# KiCad board pcb-rails.kicad_pcb (continued)
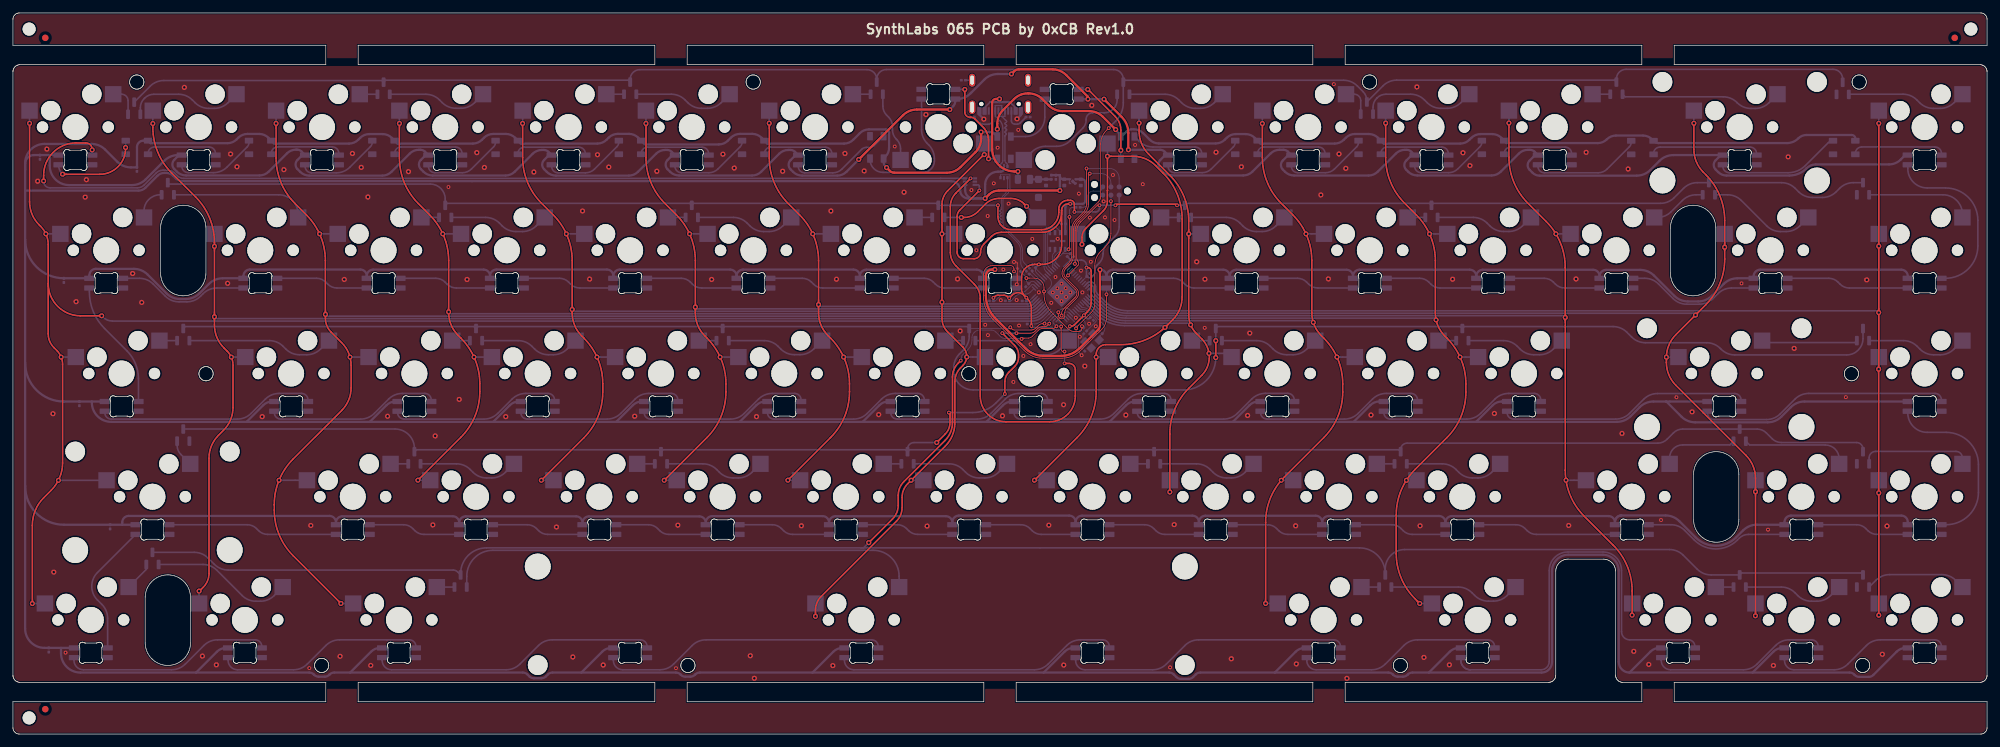
[diagram p0: board, top side]
## Nets
Board_0-+1V1: C26.2 C33.1 C35.1 U6.23 U6.45 U6.50
Board_0-+3.3V: C1.1 C25.2 C27.1 C28.1 C29.1 C30.1 C31.1 C32.1 C34.1 C40.1 J1.1 R17.1 U1.8 U6.1 U6.10 U6.22 U6.33 U6.42 U6.43 U6.44 U6.48 U6.49 U7.6 U8.1
Board_0-/BOOT: J1.6 R5.2
Board_0-/D+: R1.2 U6.46
Board_0-/D-: R2.2 U6.47
Board_0-/QSPI_CLK: U1.6 U6.52
Board_0-/QSPI_CS: R5.1 R17.2 U1.1 U6.56
Board_0-/QSPI_SD0: U1.5 U6.53
Board_0-/QSPI_SD1: U1.2 U6.55
Board_0-/QSPI_SD2: U1.3 U6.54
Board_0-/QSPI_SD3: U1.7 U6.51
Board_0-/RGB_5V: D15.4 U7.3
Board_0-/RGB_DO: U6.29 U7.4
Board_0-/RST: J1.3 U6.26
Board_0-/SWD_CLK: J1.4 U6.24
Board_0-/SWD_IO: J1.2 U6.25
Board_0-/USB/PORT+: J2.A6 J2.B6 U2.6
Board_0-/USB/PORT-: J2.A7 J2.B7 U2.4
Board_0-/USB/USB+: R1.1 U2.1
Board_0-/USB/USB-: R2.1 U2.3
Board_0-C0: MX1.1 MX16.1 MX31.1 MX45.1 MX59.1 U6.34
Board_0-C1: MX2.1 MX17.1 MX32.1 MX60.1 U6.35
Board_0-C2: MX3.1 MX18.1 MX33.1 MX46.1 MX61.1 U6.36
Board_0-C3: MX4.1 MX19.1 MX34.1 MX47.1 U6.37
Board_0-C4: MX5.1 MX20.1 MX35.1 MX48.1 U6.38
Board_0-C5: MX6.1 MX21.1 MX36.1 MX49.1 U6.39
Board_0-C6: MX7.1 MX22.1 MX37.1 MX50.1 U6.40
Board_0-C7: MX8.1 MX23.1 MX38.1 MX51.1 MX62.1 U6.41
Board_0-C8: MX9.1 MX24.1 MX39.1 MX52.1 U6.18
Board_0-C9: MX10.1 MX25.1 MX40.1 MX53.1 U6.17
Board_0-C10: MX11.1 MX26.1 MX41.1 MX54.1 MX63.1 U6.16
Board_0-C11: MX12.1 MX27.1 MX42.1 MX55.1 MX64.1 U6.15
Board_0-C12: MX13.1 MX28.1 MX56.1 MX65.1 U6.14
Board_0-C13: MX14.1 MX29.1 MX43.1 MX57.1 MX66.1 U6.13
Board_0-C14: MX15.1 MX30.1 MX44.1 MX58.1 MX67.1 U6.12
Board_0-GND: C1.2 C9.2 C10.2 C11.2 C12.2 C13.2 C14.2 C15.2 C16.2 C23.1 C24.1 C25.1 C26.1 C27.2 C28.2 C29.2 C30.2 C31.2 C32.2 C33.2 C34.2 C35.2 C39.2 C40.2 D1.1 D2.1 D3.1 D4.1 D5.1 D6.1 D7.1 D8.1 D9.1 D10.1 D11.1 D12.1 D13.1 D14.1 D15.3 D16.3 D17.3 D18.3 D19.3 D20.3 D21.3 D22.3 D23.3 D24.3 D25.3 D26.3 D27.3 D28.3 D29.3 D30.3 D31.3 D32.3 D33.3 D34.3 D35.3 D36.3 D37.3 D38.3 D39.3 D40.3 D41.3 D42.3 D43.3 D44.3 D45.3 D46.3 D47.3 D48.3 D49.3 D50.3 D51.3 D52.3 D53.3 D54.3 D55.3 D56.3 D57.3 D58.3 D59.3 D60.3 D61.3 D62.3 D63.3 D64.3 D65.3 D66.3 D67.3 D68.3 D69.3 D70.3 D71.3 D72.3 D73.3 D74.3 D75.3 D76.3 D77.3 D78.3 D79.3 D80.3 D81.3 D82.3 D83.3 D120.1 FB2.2 J1.5 J2.A1 J2.A12 J2.B1 J2.B12 R3.2 R4.2 U1.4 U1.9 U1.10 U2.2 U6.19 U6.57 U7.2 U8.2 U8.5 Y2.2 Y2.4
Board_0-Net-(C24-Pad2): C24.2 R20.1 Y2.1
Board_0-Net-(D1-DIN): D1.2 D15.2
Board_0-Net-(D1-DOUT): D1.4 D16.4
Board_0-Net-(D10-DIN): D10.2 D24.2
Board_0-Net-(D10-DOUT): D10.4 D25.4
Board_0-Net-(D11-DIN): D11.2 D25.2
Board_0-Net-(D11-DOUT): D11.4 D26.4
Board_0-Net-(D12-DIN): D12.2 D26.2
Board_0-Net-(D12-DOUT): D12.4 D27.4
Board_0-Net-(D13-DIN): D13.2 D27.2
Board_0-Net-(D13-DOUT): D13.4 D28.4
Board_0-Net-(D14-DIN): D14.2 D28.2
Board_0-Net-(D14-DOUT): D14.4 D29.4
Board_0-Net-(D16-DOUT): D2.2 D16.2
Board_0-Net-(D17-DIN): D2.4 D17.4
Board_0-Net-(D17-DOUT): D3.2 D17.2
Board_0-Net-(D18-DIN): D3.4 D18.4
Board_0-Net-(D18-DOUT): D4.2 D18.2
Board_0-Net-(D19-DIN): D4.4 D19.4
Board_0-Net-(D19-DOUT): D5.2 D19.2
Board_0-Net-(D20-DIN): D5.4 D20.4
Board_0-Net-(D20-DOUT): D6.2 D20.2
Board_0-Net-(D21-DIN): D6.4 D21.4
Board_0-Net-(D21-DOUT): D7.2 D21.2
Board_0-Net-(D22-DIN): D7.4 D22.4
Board_0-Net-(D22-DOUT): D8.2 D22.2
Board_0-Net-(D23-DIN): D8.4 D23.4
Board_0-Net-(D23-DOUT): D9.2 D23.2
Board_0-Net-(D24-DIN): D9.4 D24.4
Board_0-Net-(D29-DOUT): D29.2 D44.4
Board_0-Net-(D30-DIN): D30.4 D31.2
Board_0-Net-(D30-DOUT): D30.2 D45.4
Board_0-Net-(D31-DIN): D31.4 D32.2
Board_0-Net-(D32-DIN): D32.4 D33.2
Board_0-Net-(D33-DIN): D33.4 D34.2
Board_0-Net-(D34-DIN): D34.4 D35.2
Board_0-Net-(D35-DIN): D35.4 D36.2
Board_0-Net-(D36-DIN): D36.4 D37.2
Board_0-Net-(D37-DIN): D37.4 D38.2
Board_0-Net-(D38-DIN): D38.4 D39.2
Board_0-Net-(D39-DIN): D39.4 D40.2
Board_0-Net-(D40-DIN): D40.4 D41.2
Board_0-Net-(D41-DIN): D41.4 D42.2
Board_0-Net-(D42-DIN): D42.4 D43.2
Board_0-Net-(D43-DIN): D43.4 D44.2
Board_0-Net-(D45-DOUT): D45.2 D46.4
Board_0-Net-(D46-DOUT): D46.2 D47.4
Board_0-Net-(D47-DOUT): D47.2 D48.4
Board_0-Net-(D48-DOUT): D48.2 D49.4
Board_0-Net-(D49-DOUT): D49.2 D50.4
Board_0-Net-(D50-DOUT): D50.2 D51.4
Board_0-Net-(D51-DOUT): D51.2 D52.4
Board_0-Net-(D52-DOUT): D52.2 D53.4
Board_0-Net-(D53-DOUT): D53.2 D54.4
Board_0-Net-(D54-DOUT): D54.2 D55.4
Board_0-Net-(D55-DOUT): D55.2 D56.4
Board_0-Net-(D56-DOUT): D56.2 D57.4
Board_0-Net-(D57-DOUT): D57.2 D58.4
Board_0-Net-(D58-DOUT): D58.2 D72.4
Board_0-Net-(D59-DIN): D59.4 D60.2
Board_0-Net-(D59-DOUT): D59.2 D73.4
Board_0-Net-(D60-DIN): D60.4 D61.2
Board_0-Net-(D61-DIN): D61.4 D62.2
Board_0-Net-(D62-DIN): D62.4 D63.2
Board_0-Net-(D63-DIN): D63.4 D64.2
Board_0-Net-(D64-DIN): D64.4 D65.2
Board_0-Net-(D65-DIN): D65.4 D66.2
Board_0-Net-(D66-DIN): D66.4 D67.2
Board_0-Net-(D67-DIN): D67.4 D68.2
Board_0-Net-(D68-DIN): D68.4 D69.2
Board_0-Net-(D69-DIN): D69.4 D70.2
Board_0-Net-(D70-DIN): D70.4 D71.2
Board_0-Net-(D71-DIN): D71.4 D72.2
Board_0-Net-(D73-DOUT): D73.2 D74.4
Board_0-Net-(D74-DOUT): D74.2 D75.4
Board_0-Net-(D75-DOUT): D75.2 D76.4
Board_0-Net-(D76-DOUT): D76.2 D77.4
Board_0-Net-(D77-DOUT): D77.2 D78.4
Board_0-Net-(D78-DOUT): D78.2 D79.4
Board_0-Net-(D79-DOUT): D79.2 D80.4
Board_0-Net-(D80-DOUT): D80.2 D81.4
Board_0-Net-(D81-DOUT): D81.2 D82.4
Board_0-Net-(D82-DOUT): D82.2 D83.4
Board_0-Net-(D84-A1): D84.1 MX2.2
Board_0-Net-(D84-A2): D84.2 MX1.2
Board_0-Net-(D85-A1): D85.1 MX4.2
Board_0-Net-(D85-A2): D85.2 MX3.2
Board_0-Net-(D86-A1): D86.1 MX6.2
Board_0-Net-(D86-A2): D86.2 MX5.2
Board_0-Net-(D87-A1): D87.1 MX8.2
Board_0-Net-(D87-A2): D87.2 MX7.2
Board_0-Net-(D88-A1): D88.1 MX10.2
Board_0-Net-(D88-A2): D88.2 MX9.2
Board_0-Net-(D89-A1): D89.1 MX12.2
Board_0-Net-(D89-A2): D89.2 MX11.2
Board_0-Net-(D90-A1): D90.1 MX14.2
Board_0-Net-(D90-A2): D90.2 MX13.2
Board_0-Net-(D91-A1): D91.1 MX15.2
Board_0-Net-(D92-A1): D92.1 MX17.2
Board_0-Net-(D92-A2): D92.2 MX16.2
Board_0-Net-(D93-A1): D93.1 MX19.2
Board_0-Net-(D93-A2): D93.2 MX18.2
Board_0-Net-(D94-A1): D94.1 MX21.2
Board_0-Net-(D94-A2): D94.2 MX20.2
Board_0-Net-(D95-A1): D95.1 MX23.2
Board_0-Net-(D95-A2): D95.2 MX22.2
Board_0-Net-(D96-A1): D96.1 MX25.2
Board_0-Net-(D96-A2): D96.2 MX24.2
Board_0-Net-(D97-A1): D97.1 MX27.2
Board_0-Net-(D97-A2): D97.2 MX26.2
Board_0-Net-(D98-A1): D98.1 MX29.2
Board_0-Net-(D98-A2): D98.2 MX28.2
Board_0-Net-(D99-A1): D99.1 MX30.2
Board_0-Net-(D100-A1): D100.1 MX32.2
Board_0-Net-(D100-A2): D100.2 MX31.2
Board_0-Net-(D101-A1): D101.1 MX34.2
Board_0-Net-(D101-A2): D101.2 MX33.2
Board_0-Net-(D102-A1): D102.1 MX36.2
Board_0-Net-(D102-A2): D102.2 MX35.2
Board_0-Net-(D103-A1): D103.1 MX38.2
Board_0-Net-(D103-A2): D103.2 MX37.2
Board_0-Net-(D104-A1): D104.1 MX40.2
Board_0-Net-(D104-A2): D104.2 MX39.2
Board_0-Net-(D105-A1): D105.1 MX42.2
Board_0-Net-(D105-A2): D105.2 MX41.2
Board_0-Net-(D106-A1): D106.1 MX44.2
Board_0-Net-(D106-A2): D106.2 MX43.2
Board_0-Net-(D107-A2): D107.2 MX45.2
Board_0-Net-(D108-A1): D108.1 MX47.2
Board_0-Net-(D108-A2): D108.2 MX46.2
Board_0-Net-(D109-A1): D109.1 MX49.2
Board_0-Net-(D109-A2): D109.2 MX48.2
Board_0-Net-(D110-A1): D110.1 MX51.2
Board_0-Net-(D110-A2): D110.2 MX50.2
Board_0-Net-(D111-A1): D111.1 MX53.2
Board_0-Net-(D111-A2): D111.2 MX52.2
Board_0-Net-(D112-A1): D112.1 MX55.2
Board_0-Net-(D112-A2): D112.2 MX54.2
Board_0-Net-(D113-A1): D113.1 MX57.2
Board_0-Net-(D113-A2): D113.2 MX56.2
Board_0-Net-(D114-A1): D114.1 MX58.2
Board_0-Net-(D115-A1): D115.1 MX60.2
Board_0-Net-(D115-A2): D115.2 MX59.2
Board_0-Net-(D116-A1): D116.1 MX62.2
Board_0-Net-(D116-A2): D116.2 MX61.2
Board_0-Net-(D117-A1): D117.1 MX64.2
Board_0-Net-(D117-A2): D117.2 MX63.2
Board_0-Net-(D118-A1): D118.1 MX66.2
Board_0-Net-(D118-A2): D118.2 MX65.2
Board_0-Net-(D119-A1): D119.1 MX67.2
Board_0-Net-(D120-A2): C15.1 D120.2 F1.2 FB1.1
Board_0-Net-(F1-Pad1): F1.1 J2.A4 J2.A9 J2.B4 J2.B9
Board_0-Net-(J2-CC1): J2.A5 R3.1
Board_0-Net-(J2-CC2): J2.B5 R4.1
Board_0-Net-(J2-SHIELD): FB2.1 J2.S1
Board_0-Net-(U6-XTAL_IN): C23.2 U6.20 Y2.3
Board_0-Net-(U6-XTAL_OUT): R20.2 U6.21
Board_0-R0: D84.3 D85.3 D86.3 D87.3 D88.3 D89.3 D90.3 D91.3 U6.2
Board_0-R1: D92.3 D93.3 D94.3 D95.3 D96.3 D97.3 D98.3 D99.3 U6.3
Board_0-R2: D100.3 D101.3 D102.3 D103.3 D104.3 D105.3 D106.3 U6.32
Board_0-R3: D107.3 D108.3 D109.3 D110.3 D111.3 D112.3 D113.3 D114.3 U6.31
Board_0-R4: D115.3 D116.3 D117.3 D118.3 D119.3 U6.30
Board_0-unconnected-(D83-DOUT-Pad2): D83.2
Board_0-unconnected-(D91-A2-Pad2): D91.2
Board_0-unconnected-(D99-A2-Pad2): D99.2
Board_0-unconnected-(D107-A1-Pad1): D107.1
Board_0-unconnected-(D114-A2-Pad2): D114.2
Board_0-unconnected-(D119-A2-Pad2): D119.2
Board_0-unconnected-(J2-SBU1-PadA8): J2.A8
Board_0-unconnected-(J2-SBU2-PadB8): J2.B8
Board_0-unconnected-(U6-GPIO2-Pad4): U6.4
Board_0-unconnected-(U6-GPIO3-Pad5): U6.5
Board_0-unconnected-(U6-GPIO4-Pad6): U6.6
Board_0-unconnected-(U6-GPIO5-Pad7): U6.7
Board_0-unconnected-(U6-GPIO6-Pad8): U6.8
Board_0-unconnected-(U6-GPIO7-Pad9): U6.9
Board_0-unconnected-(U6-GPIO8-Pad11): U6.11
Board_0-unconnected-(U6-GPIO16-Pad27): U6.27
Board_0-unconnected-(U6-GPIO17-Pad28): U6.28
Board_0-unconnected-(U7-DIR-Pad5): U7.5
Board_0-VCC: C9.1 C10.1 C11.1 C12.1 C13.1 C14.1 C16.1 C39.1 D1.3 D2.3 D3.3 D4.3 D5.3 D6.3 D7.3 D8.3 D9.3 D10.3 D11.3 D12.3 D13.3 D14.3 D15.1 D16.1 D17.1 D18.1 D19.1 D20.1 D21.1 D22.1 D23.1 D24.1 D25.1 D26.1 D27.1 D28.1 D29.1 D30.1 D31.1 D32.1 D33.1 D34.1 D35.1 D36.1 D37.1 D38.1 D39.1 D40.1 D41.1 D42.1 D43.1 D44.1 D45.1 D46.1 D47.1 D48.1 D49.1 D50.1 D51.1 D52.1 D53.1 D54.1 D55.1 D56.1 D57.1 D58.1 D59.1 D60.1 D61.1 D62.1 D63.1 D64.1 D65.1 D66.1 D67.1 D68.1 D69.1 D70.1 D71.1 D72.1 D73.1 D74.1 D75.1 D76.1 D77.1 D78.1 D79.1 D80.1 D81.1 D82.1 D83.1 FB1.2 U2.5 U7.1 U8.3 U8.4

Pads without a net: J2 S2 S3 S4

## Via types
v1: diameter 0.6, hole 0.3, Top to Bottom, 106 vias
v2: diameter 0.8, hole 0.4, Top to Bottom, 222 vias

## Routing (per net, layer and track width the routed paths; a pad name or vN(x,y) marks a point on that pad's centre or on a via; arc(x,y) is an arc through that point)
Board_0-+1V1: length 25.4
  Top w0.128: v1(165.19,63.06) 165.19,62.73 arc(165.05,62.38) 164.69,62.23 164.06,62.23 arc(163.5,62.34) 163.02,62.66 162.82,62.86 162.82,62.86 160.5,65.19 arc(159.63,66.49) 159.33,68.02 v1(159.33,68.44) 159.33,69 arc(158.89,70.06) 157.83,70.5 v1(156.6,70.5)
  Bottom w0.128: C33.1 156.6,70.63 v1(156.6,70.5) 156.6,70.2 arc(156.64,70) 156.75,69.83 C26.2 157.21,69.86 arc(157.56,70.01) 157.92,69.86 U6.45 ; U6.23 165.44,64.03 arc(165.7,63.43) C35.1 165.44,62.82 v1(165.19,63.06) ; v1(159.33,68.44) 159.48,68.29 160.19,69 arc(160.48,69.71) 160.19,70.42 U6.50
Board_0-+3.3V: length 144.2
  Top w0.25: v1(163.32,63.06) 163.52,63.06 arc(163.78,63.11) 164,63.26 v1(165.48,64.74) 166.02,65.28 arc(166.45,65.93) 166.61,66.69 166.61,71.62 arc(166.46,71.97) 166.11,72.12 v1(165.89,72.12) ; v1(151.51,67.45) 151.67,67.62 arc(151.93,67.79) 152.24,67.85 153.1,67.85 arc(153.41,67.79) 153.67,67.62 153.89,67.4 v1(153.95,67.4) 153.95,67.4 154.42,67.87 arc(155.31,68.24) 156.2,67.87 v1(156.6,67.47) ; v1(156.6,67.47) 156.79,67.28 arc(157.22,66.63) 157.38,65.86 v1(157.38,63.09) ; v1(156.6,67.47) 156.32,67.75 arc(155.98,68.26) 155.86,68.86 155.86,70.62 arc(156.44,72.03) 157.86,72.62 v1(158.53,72.62) 159.05,72.62 arc(161.17,73.5) 162.05,75.62 162.05,80.97 ; v1(163.37,81.97) 163.05,81.97 arc(162.34,81.68) 162.05,80.97 ; 162.05,80.97 162.05,80.58 arc(161.17,78.46) 159.05,77.58 152.7,77.58 arc(151.9,77.42) 151.22,76.97 150.07,75.81 arc(149.67,75.21) 149.53,74.5 arc(149.23,73.79) 148.53,73.5 146.89,73.5 arc(146.19,73.79) 145.89,74.5 145.89,80.03 arc(146,80.56) 146.3,81.02 v1(149.34,84.05)
  Bottom w0.128: C25.2 151.78,66.97 152.47,67.67 arc(152.64,67.78) 152.83,67.81 153.94,67.81 arc(154.13,67.85) 154.29,67.96 154.54,68.21 arc(154.71,68.32) 154.9,68.36 156.11,68.36 arc(156.3,68.4) 156.46,68.51 157.44,69.49 arc(157.59,69.55) 157.73,69.49 U6.44 ; C30.1 157.73,63.4 arc(158.5,63.55) 159.15,63.99 U6.33 ; U6.49 158,72.04 C27.1 158,71.68 arc(158.04,71.49) 158.15,71.33 U6.48 ; U6.22 164.66,65.38 165.14,65.38 arc(165.53,65.3) 165.85,65.09 C29.1 ; U6.42 157.16,67.08 arc(157.03,67) 156.88,66.97 156.61,66.97 C31.1 ; C34.1 154.24,66.98 154.98,67.73 arc(155.31,67.94) 155.69,68.02 156.49,68.02 arc(156.88,68.1) 157.2,68.31 U6.43 ; U6.1 163.41,73.34 C32.1 ; 165.96,70.8 165.96,70.8 U6.10
  Bottom w0.25: C27.1 158.52,72.62 v1(158.53,72.62) ; R17.1 C32.1 163.47,73.28 165.09,73.28 arc(165.65,73.05) 165.89,72.48 v1(165.89,72.12) 165.89,70.84 C28.1 166.03,70.69 arc(166.39,70.55) 166.74,70.69 166.94,70.9 arc(167.16,71.22) 167.24,71.6 167.24,71.8 arc(167.31,72.18) 167.53,72.5 167.86,72.83 arc(168.29,73.48) 168.45,74.25 168.45,74.3 arc(168.6,75.06) 169.03,75.71 170.35,77.03 arc(170.78,77.68) 170.94,78.44 J1.1 ; C34.1 153.95,67.03 v1(153.95,67.4) ; C30.1 157.38,62.88 157.39,62.87 160.34,62.87 arc(160.5,62.84) 160.63,62.75 160.82,62.56 arc(160.95,62.47) 161.11,62.44 162.92,62.44 arc(163.2,62.56) 163.32,62.84 v1(163.32,63.06) ; v1(156.6,67.47) C31.1 ; C29.1 166.5,64.43 166.36,64.29 arc(166.15,64.2) 165.93,64.29 v1(165.48,64.74) ; v1(151.51,67.45) C25.2 ; U7.6 149.11,84.92 arc(149.27,84.85) 149.34,84.7 v1(149.34,84.05)
  Bottom w0.35: 164.22,85.78 165.23,85.78 arc(165.58,85.63) 165.73,85.28 165.73,82.47 arc(165.58,82.12) 165.23,81.97 163.11,81.97 arc(162.77,81.83) 162.62,81.49 U1.8
Board_0-/BOOT: length 5.8
  Bottom w0.128: J1.6 168.2,84.41 168.2,84.16 arc(168.15,84.02) 168,83.96 166.92,83.96 arc(166.35,83.73) 166.12,83.16 166.12,82.24 arc(165.88,81.67) 165.32,81.44 R5.2 ; 168.32,84.4 168.4,84.4
Board_0-/D+: length 2.2
  Bottom w0.128: 157.03,71.15 157.19,71.15 U6.46
Board_0-/D-: length 2.2
  Bottom w0.128: U6.47 157.5,71.41 157.5,71.62
Board_0-/QSPI_CLK: length 8.6
  Bottom w0.128: U1.6 161.02,77.73 160.78,77.98 arc(160.62,78.08) 160.43,78.12 160.02,78.12 arc(159.71,77.99) 159.58,77.68 159.58,72.58 arc(159.65,72.19) 159.87,71.87 U6.52
Board_0-/QSPI_CS: length 12.1
  Top w0.128: v1(163.12,74.94) 163.26,75.08 v1(163.26,79.96)
  Bottom w0.128: 162.19,74.31 162.62,74.75 U1.1 163.11,74.93 v1(163.12,74.94) ; 162.19,74.31 161.25,73.38 arc(161.16,73.23) 161.12,73.06 161.12,72.88 U6.56 ; 162.19,74.31 163.35,74.31 R17.2 ; v1(163.26,79.96) 163.26,80.94 arc(163.4,81.29) 163.76,81.44 R5.1
Board_0-/QSPI_SD0: length 6.4
  Bottom w0.128: U1.5 160.03,77.53 arc(159.89,77.47) 159.83,77.33 159.83,72.89 arc(159.91,72.5) 160.13,72.18 U6.53
Board_0-/QSPI_SD1: length 3.1
  Bottom w0.128: U6.55 160.87,72.57 160.87,73.44 arc(160.93,73.75) 161.1,74.01 161.82,74.73 U1.2
Board_0-/QSPI_SD2: length 3.2
  Bottom w0.128: U1.3 161.02,74.55 160.83,74.35 arc(160.67,74.11) 160.61,73.82 160.61,72.26 U6.54
Board_0-/QSPI_SD3: length 10.1
  Bottom w0.128: U6.51 159.61,71.56 arc(159.4,71.88) 159.32,72.27 159.32,77.7 arc(159.52,78.18) 160,78.38 160.95,78.38 arc(161.15,78.34) 161.31,78.23 161.82,77.71 U1.7
Board_0-/RGB_5V: length 157.1
  Top w0.25: v2(12.25,90.32) 12.25,90.4 arc(11.95,91.11) 11.25,91.4 9.75,91.4 arc(6.21,89.94) 4.75,86.4 4.75,85.52 v2(4.74,85.51)
  Bottom w0.25: v2(12.25,90.32) 12.25,89.93 12.25,89.93 D15.4 ; U7.3 143.36,85.92 143.36,85.92 26.4,85.92 arc(25.82,86.03) 25.33,86.36 24.94,86.75 arc(24.45,87.08) 23.88,87.19 23.19,87.19 arc(22.61,87.08) 22.13,86.75 20.27,84.89 arc(19.78,84.57) 19.21,84.45 5.74,84.45 arc(5.04,84.75) 4.74,85.45 v2(4.74,85.51)
Board_0-/RGB_DO: length 70
  Top w0.128: v1(162.5,59.15) 162.27,59.15 arc(162.06,59.24) 161.97,59.44 v1(161.97,63.02)
  Top w0.25: v1(162.5,57.31) 163.17,57.31 arc(163.87,57.02) 164.17,56.31 164.17,52.28 arc(163,49.45) 160.17,48.28 153.47,48.28 arc(150.64,49.45) 149.47,52.28 149.47,67.4 arc(149.24,68.55) 148.59,69.52 145.73,72.38 arc(145.08,73.35) 144.85,74.5 144.85,81.55 arc(145.08,82.7) 145.73,83.67 v1(147.98,85.92)
  Bottom w0.128: U6.29 161.86,63.61 arc(161.94,63.48) 161.97,63.32 v1(161.97,63.02) ; U7.4 v1(147.98,85.92) ; v1(162.5,59.15) v1(162.5,57.31)
Board_0-/RST: length 24.8
  Top w0.128: v1(169.67,82.4) 169.67,77.44 arc(169.44,76.29) 168.79,75.32 168.06,74.59 arc(167.41,73.62) 167.18,72.47 167.18,66.57 arc(167.02,65.8) 166.59,65.15 164.28,62.84 v1(164.28,62.72)
  Bottom w0.128: v1(164.28,62.72) 164.28,63.09 arc(164.2,63.47) 163.98,63.8 U6.26 ; J1.3 v1(169.67,82.4)
Board_0-/SWD_CLK: length 34.6
  Top w0.128: v1(166.4,86.66) 166.2,86.66 166.2,81.95 arc(166.04,81.18) 165.61,80.53 164.47,79.39 arc(164.04,78.74) 163.88,77.97 163.88,74.01 arc(163.73,73.24) 163.3,72.6 162.68,71.98 arc(162.39,71.27) 162.68,70.56 164.35,68.89 arc(164.66,68.13) 164.35,67.38 162.83,65.86 arc(162.62,65.53) 162.54,65.15 162.54,64.66 arc(162.5,64.49) 162.4,64.34 arc(162.06,64.19) 161.71,64.34 161.67,64.39 arc(161.57,64.53) 161.54,64.69 v1(161.54,65.22)
  Bottom w0.128: U6.24 163.32,65.59 arc(162.61,65.88) 161.91,65.59 v1(161.54,65.22) ; v1(166.4,86.66) 168.17,86.66 arc(169.23,86.22) 169.67,85.16 J1.4
Board_0-/SWD_IO: length 34.9
  Top w0.128: v1(162.05,64.7) 162.05,65.02 arc(162.12,65.4) 162.34,65.73 164.16,67.55 arc(164.4,68.13) 164.16,68.72 162.45,70.43 arc(162.1,71.27) 162.45,72.11 163.04,72.7 arc(163.47,73.35) 163.63,74.12 163.63,78.08 arc(163.78,78.85) 164.21,79.49 165.32,80.6 arc(165.75,81.25) 165.91,82.02 165.91,87.45 v1(165.9,87.46)
  Bottom w0.128: J1.2 170.94,85.96 arc(170.5,87.02) 169.44,87.46 v1(165.9,87.46) ; U6.25 163.2,65.15 arc(162.85,65.29) 162.49,65.15 v1(162.05,64.7)
Board_0-/USB/PORT+: length 11.9
  Bottom w0.2: J2.B6 153.29,95.52 152.29,95.52 J2.A6 ; 152.79,95.52 153.29,95.02 arc(153.33,94.93) 153.42,94.89 arc(153.51,94.85) 153.55,94.76 153.55,94.69 arc(153.51,94.6) 153.42,94.56 arc(153.33,94.52) 153.29,94.43 153.29,94.36 arc(153.33,94.27) 153.42,94.23 arc(153.51,94.19) 153.55,94.1 153.55,94.04 arc(153.51,93.94) 153.42,93.9 arc(153.33,93.87) 153.29,93.77 153.29,93.71 arc(153.33,93.61) 153.42,93.58 arc(153.51,93.54) 153.55,93.44 153.55,93.38 arc(153.51,93.29) 153.42,93.25 arc(153.33,93.21) 153.29,93.12 153.29,93.05 arc(153.32,92.98) 153.39,92.95 arc(153.46,92.92) 153.49,92.85 153.49,92.72 arc(153.46,92.65) 153.39,92.62 arc(153.32,92.59) 153.29,92.52 153.29,88.69 arc(153.33,88.5) 153.43,88.33 153.67,88.09 U2.6
Board_0-/USB/PORT-: length 11.8
  Bottom w0.2: J2.A7 152.79,97.18 151.79,97.18 J2.B7 151.79,95.56 152.47,94.88 arc(152.83,94.33) 152.96,93.69 152.96,88.64 arc(152.92,88.45) 152.81,88.29 152.6,88.07 U2.4
Board_0-/USB/USB+: length 18.1
  Bottom w0.128: R1.1 156.03,72.13 arc(155.81,72.45) 155.74,72.83 155.74,74.69 arc(155.58,75.46) 155.15,76.11 152.73,78.53 152.73,78.58 arc(152.69,78.67) 152.6,78.71 152.56,78.71 arc(152.46,78.75) 152.43,78.84 arc(152.46,78.93) 152.56,78.96 152.6,78.96 arc(152.69,79) 152.73,79.09 arc(152.69,79.18) 152.6,79.22 152.56,79.22 arc(152.46,79.26) 152.43,79.35 arc(152.46,79.44) 152.56,79.48 152.6,79.48 arc(152.69,79.51) 152.73,79.6 arc(152.69,79.69) 152.6,79.73 152.56,79.73 arc(152.46,79.77) 152.43,79.86 arc(152.46,79.95) 152.56,79.99 152.6,79.99 arc(152.69,80.03) 152.73,80.12 arc(152.69,80.21) 152.6,80.24 152.56,80.24 arc(152.46,80.28) 152.43,80.37 arc(152.46,80.46) 152.56,80.5 152.6,80.5 arc(152.69,80.54) 152.73,80.63 arc(152.69,80.72) 152.6,80.76 152.56,80.76 arc(152.46,80.79) 152.43,80.88 arc(152.46,80.97) 152.56,81.01 152.6,81.01 arc(152.69,81.05) 152.73,81.14 152.73,82.55 arc(152.8,82.93) 153.02,83.25 153.38,83.61 arc(153.6,83.94) 153.67,84.32 U2.1
Board_0-/USB/USB-: length 18.2
  Bottom w0.128: U2.3 152.6,86.47 154.05,86.47 154.05,84.34 arc(153.98,83.96) 153.76,83.63 153.28,83.15 arc(153.06,82.82) 152.98,82.44 152.98,79.05 arc(153.06,78.67) 153.28,78.34 155.41,76.21 arc(155.84,75.56) 155.99,74.8 155.99,73.53 arc(156.07,73.15) 156.29,72.82 R2.1
Board_0-C0: length 251.2
  Top w0.25: 5.45,69.67 5.45,61.88 arc(5.68,60.73) 6.33,59.76 6.79,59.3 arc(7.44,58.32) 7.67,57.18 7.67,41.94 arc(7.21,39.64) 5.91,37.69 4.75,36.54 arc(3.45,34.59) 3,32.29 v2(3,20.18) ; 5.45,69.67 5.45,75.68 arc(5.14,77.21) 4.28,78.51 4.03,78.76 arc(2.95,80.38) 2.57,82.29 v2(2.57,94.44) ; 5.45,69.67 arc(6.91,66.13) 10.45,64.67 v2(13.72,64.67)
  Bottom w0.25: v2(3,20.18) 4.94,20.18 MX59.1 ; v2(2.57,94.44) 2.56,94.44 MX1.1 ; v2(7.45,58.29) MX31.1 ; v2(5.09,77.34) MX16.1 ; MX45.1 14.46,39.23 v2(7.03,39.23) ; U6.34 159.19,64.59 arc(158.38,64.05) 157.42,63.86 15.36,63.86 arc(14.59,64.01) 13.94,64.45 v2(13.72,64.67)
Board_0-C1: length 215.2
  Top w0.25: v2(28.76,22.1) 28.81,22.1 29.42,22.71 arc(30.07,23.68) 30.3,24.83 30.3,42.66 arc(30.68,44.57) 31.76,46.19 32.54,46.98 arc(33.63,48.6) 34.01,50.51 34.01,57.06 arc(33.78,58.21) 33.13,59.18 32.6,59.71 arc(31.52,61.33) 31.14,63.24 31.14,64.57 ; 31.14,64.57 v2(31.14,64.51) ; 31.14,64.57 v2(31.14,75.41) 31.14,76 arc(30.38,79.82) 28.21,83.07 24.55,86.73 arc(22.38,89.98) 21.62,93.8 v2(21.62,94.4)
  Bottom w0.25: U6.35 158.9,64.87 arc(158.2,64.4) 157.37,64.24 31.41,64.24 v2(31.14,64.51) ; v2(21.62,94.4) 21.61,94.4 MX2.1 ; MX17.1 31.14,77.34 v2(31.14,75.41) ; MX60.1 28.76,22.1 v2(28.76,22.1) ; v2(33.75,58.29) MX32.1
Board_0-C2: length 211.6
  Top w0.25: v2(40.66,94.42) 40.66,89.1 arc(41.42,85.28) 43.59,82.03 45.35,80.27 arc(47.52,77.02) 48.28,73.2 48.28,64.9 v2(48.29,64.89) 48.29,64.27 arc(48.52,63.12) 49.17,62.15 50.79,60.52 arc(51.88,58.9) 52.26,56.99 52.26,53.56 arc(51.88,51.65) 50.79,50.03 43.31,42.54 arc(41.14,39.29) 40.38,35.47 40.38,34.64 arc(41.14,30.82) 43.31,27.57 v2(50.69,20.19)
  Bottom w0.25: v2(48.29,64.89) 48.56,64.62 157.33,64.62 arc(158.02,64.75) 158.61,65.14 U6.36 ; v2(40.66,94.42) 40.66,94.43 MX3.1 ; v2(47.39,77.34) MX18.1 ; MX33.1 v2(52.09,58.29) ; MX46.1 v2(41.12,39.24) ; v2(50.69,20.19) MX61.1
Board_0-C3: length 164.3
  Top w0.25: v2(62.58,39.25) 69.22,45.89 arc(71.39,49.14) 72.15,52.96 72.15,54.15 arc(71.39,57.97) 69.22,61.22 68.79,61.65 arc(67.71,63.27) 67.33,65.18 67.33,65.21 ; v2(67.33,65.27) 67.33,65.21 ; 67.33,65.21 67.33,73.2 arc(66.57,77.02) 64.4,80.27 62.65,82.02 arc(60.48,85.27) 59.72,89.09 v2(59.72,94.42)
  Bottom w0.25: MX47.1 64.47,39.25 v2(62.58,39.25) ; v2(66.42,77.34) MX19.1 ; v2(59.72,94.42) 59.71,94.42 MX4.1 ; v2(67.33,65.27) 67.6,64.99 157.17,64.99 arc(157.84,65.12) 158.4,65.5 U6.37 ; v2(71.25,58.29) MX34.1
Board_0-C4: length 144.8
  Top w0.25: 86.42,65.62 86.42,65.1 arc(86.8,63.19) 87.88,61.57 88.22,61.23 arc(90.39,57.98) 91.15,54.16 91.15,52.88 arc(90.39,49.06) 88.22,45.81 v2(81.65,39.24) ; 86.42,65.62 86.42,73.2 arc(85.66,77.02) 83.49,80.27 81.69,82.07 arc(79.52,85.32) 78.76,89.14 v2(78.76,94.42) ; 86.42,65.62 v2(86.42,65.65)
  Bottom w0.25: v2(81.65,39.24) MX48.1 ; MX5.1 78.76,94.43 v2(78.76,94.42) ; U6.38 158.17,65.84 arc(157.65,65.49) 157.05,65.37 86.69,65.37 v2(86.42,65.65) ; v2(90.25,58.29) MX35.1 ; v2(85.52,77.34) MX20.1
Board_0-C5: length 125.6
  Top w0.25: 105.45,65.96 105.45,73.21 arc(104.69,77.03) 102.52,80.28 100.75,82.05 arc(98.58,85.3) 97.82,89.12 v2(97.82,94.41) ; 105.45,65.96 105.45,65.1 arc(105.83,63.19) 106.91,61.57 107.25,61.23 arc(109.42,57.98) 110.18,54.16 110.18,52.92 arc(109.42,49.1) 107.25,45.85 v2(100.64,39.24) ; 105.45,65.96 v2(105.45,66.02)
  Bottom w0.25: v2(104.56,77.34) MX21.1 ; v2(109.28,58.29) MX36.1 ; U6.39 157.96,66.19 arc(157.47,65.86) 156.89,65.75 105.72,65.75 v2(105.45,66.02) ; MX6.1 97.81,94.41 v2(97.82,94.41) ; v2(100.64,39.24) MX49.1
Board_0-C6: length 106.1
  Top w0.25: v2(116.87,94.45) 116.87,89.1 arc(117.63,85.28) 119.8,82.03 121.56,80.27 arc(123.73,77.02) 124.49,73.2 124.49,66.39 ; v2(124.49,66.4) 124.49,66.39 ; 124.49,66.39 124.49,65.14 arc(124.87,63.23) 125.95,61.61 126.34,61.22 arc(128.51,57.97) 129.27,54.15 129.27,52.91 arc(128.51,49.09) 126.34,45.84 v2(119.75,39.25)
  Bottom w0.25: MX7.1 116.86,94.45 v2(116.87,94.45) ; v2(123.59,77.34) MX22.1 ; U6.40 157.7,66.5 arc(157.29,66.22) 156.8,66.13 124.76,66.13 v2(124.49,66.4) ; MX50.1 121.62,39.25 v2(119.75,39.25) ; v2(128.36,58.29) MX37.1
Board_0-C7: length 109.5
  Top w0.25: v2(124.01,18.21) 124.01,19.15 arc(124.24,20.3) 124.89,21.27 136.52,32.9 arc(137.17,33.87) 137.4,35.02 137.4,36.6 arc(137.63,37.75) 138.28,38.72 144.04,44.48 arc(145.16,46.16) 145.55,48.14 145.55,54.5 arc(145.78,55.65) 146.43,56.63 146.8,56.99 arc(147.38,58.41) 146.8,59.82 144.44,62.18 arc(143.79,63.15) 143.56,64.3 143.56,66.75 ; 143.56,66.75 v2(143.56,77.34) 143.56,81.88 arc(143.79,83.03) 144.44,84 150.04,89.6 v2(150.1,89.6) ; 143.56,66.75 v2(143.56,66.78)
  Bottom w0.25: v2(124.01,18.21) 124.01,20.19 MX62.1 ; v2(147.38,58.3) 150.19,58.3 MX38.1 ; v2(143.56,77.34) MX23.1 ; v2(138.8,39.24) MX51.1 ; MX8.1 150.08,89.61 v2(150.1,89.6) ; U6.41 157.44,66.8 arc(157.11,66.58) 156.71,66.5 143.83,66.5 v2(143.56,66.78)
Board_0-C8: length 106.8
  Top w0.25: v2(165.19,75.72) 165.19,76.78 arc(165.34,77.55) 165.78,78.2 168.53,80.95 arc(168.96,81.6) 169.11,82.36 169.11,84.02 169.13,84.03 v2(169.13,89.34) 173.06,89.34 arc(174.97,88.96) 176.59,87.88 177.74,86.73 arc(179.91,83.49) 180.67,79.66 180.67,67.58 arc(180.29,65.67) 179.2,64.05 178.3,63.14 arc(175.06,60.98) 171.23,60.21 168.89,60.21 arc(167.83,59.78) 167.39,58.71 v2(167.39,58.29) 167.39,52.93 arc(166.63,49.11) 164.46,45.86 v2(157.85,39.25)
  Bottom w0.25: MX52.1 159.72,39.25 v2(157.85,39.25) ; v2(169.13,89.34) 169.13,89.35 MX9.1 ; MX24.1 165.19,76.64 v2(165.19,75.72) ; U6.18 167.3,65 arc(169.35,63.63) 171.77,63.15 177.81,63.15 178.02,62.95 v2(178.02,62.88) ; v2(167.39,58.29) MX39.1
Board_0-C9: length 89.4
  Top w0.25: v2(174.02,94.48) 174.02,93.22 arc(174.4,91.31) 175.48,89.69 178.76,86.41 arc(180.93,83.16) 181.69,79.34 v2(181.69,77.34) 181.69,64.78 arc(181.99,63.25) 182.86,61.95 183.69,61.12 arc(184.86,58.29) 183.69,55.46 181.7,53.47 arc(179.53,50.22) 178.77,46.4 v2(178.77,37.42)
  Bottom w0.25: MX10.1 174.01,94.48 v2(174.02,94.48) ; MX53.1 178.77,39.23 v2(178.77,37.42) ; v2(181.99,63.27) 181.73,63.53 171.92,63.53 arc(169.54,64) 167.51,65.36 U6.17 ; v2(184.82,58.86) 184.82,58.86 187.73,58.86 MX40.1 ; v2(181.69,77.34) MX25.1
Board_0-C10: length 129.5
  Top w0.25: v2(193.07,94.4) 193.07,89.12 arc(193.83,85.3) 196,82.05 197.78,80.27 arc(199.95,77.02) 200.71,73.2 200.71,65.14 arc(201.09,63.23) 202.17,61.61 202.56,61.22 arc(204.73,57.97) 205.49,54.15 205.49,52.91 arc(204.73,49.09) 202.56,45.84 196.5,39.78 arc(194.33,36.53) 193.57,32.71 v2(193.57,20.19)
  Bottom w0.25: v2(193.07,94.4) 193.06,94.4 MX11.1 ; v2(193.57,20.19) MX63.1 ; U6.16 167.82,65.62 arc(169.7,64.36) 171.91,63.92 200.67,63.92 v2(200.94,63.66) ; MX41.1 v2(204.59,58.29) ; MX54.1 195.96,39.24 v2(195.99,39.24) ; v2(199.81,77.34) MX26.1
Board_0-C11: length 148.3
  Top w0.25: v2(212.12,94.47) 212.12,89.15 arc(212.88,85.33) 215.05,82.08 216.87,80.26 arc(219.04,77.01) 219.8,73.19 219.8,65.08 arc(220.18,63.17) 221.26,61.55 221.59,61.22 arc(223.76,57.97) 224.52,54.15 224.52,52.91 arc(223.76,49.09) 221.59,45.84 216.68,40.93 arc(214.51,37.68) 213.75,33.86 213.75,27.97 arc(214.51,24.15) 216.68,20.9 v2(217.39,20.19)
  Bottom w0.25: MX27.1 221.63,77.33 v2(218.9,77.33) ; MX42.1 223.63,58.29 v2(223.62,58.3) ; U6.15 168.07,65.93 arc(169.86,64.73) 171.98,64.31 219.63,64.31 v2(219.91,64.04) ; MX55.1 v2(215.33,39.24) ; v2(212.12,94.47) 212.11,94.47 MX12.1 ; v2(217.39,20.19) MX64.1
Board_0-C12: length 167.2
  Top w0.25: v2(250.2,18.38) 250.21,18.39 250.21,22.14 arc(249.45,25.96) 247.28,29.21 242.8,33.69 arc(240.63,36.94) 239.87,40.76 239.87,64.05 ; 239.87,64.05 239.87,72.17 arc(239.11,76) 236.94,79.24 234.1,82.08 arc(231.93,85.33) 231.17,89.15 v2(231.17,94.49) ; 239.87,64.05 v2(239.87,64.42)
  Bottom w0.25: v2(231.17,94.49) 231.16,94.49 MX13.1 ; v2(239.87,64.42) 239.59,64.69 172.06,64.69 arc(170.03,65.09) 168.32,66.24 166.91,67.64 arc(166.63,68.07) 166.53,68.58 arc(166.51,68.65) 166.47,68.72 U6.14 ; MX65.1 250.2,20.17 v2(250.2,18.38) ; MX56.1 v2(239.99,39.24) ; MX28.1 v2(238.43,77.34)
Board_0-C13: length 191.8
  Top w0.25: 259.98,64.78 256.96,61.75 arc(255.88,60.13) 255.5,58.22 255.5,57.46 arc(255.88,55.55) 256.96,53.93 267.8,43.08 arc(268.89,41.46) 269.27,39.55 v2(269.27,37.47) 269.27,18.29 v2(269.26,18.28) ; 259.98,64.78 260,64.79 v2(260,64.79) ; 259.98,64.78 261.58,66.37 arc(263.75,69.62) 264.51,73.44 v2(264.51,75.28) 264.51,79.43 arc(263.75,83.25) 261.58,86.5 261.21,86.87 arc(260.13,88.49) 259.75,90.4 v2(259.75,94.44)
  Bottom w0.25: v2(260,64.79) 259.72,65.07 172.17,65.07 arc(170.19,65.46) 168.51,66.58 167.29,67.8 arc(167.01,68.21) 166.92,68.7 166.92,69.16 arc(166.9,69.24) 166.86,69.3 166.72,69.44 arc(166.51,69.53) 166.3,69.44 U6.13 ; v2(269.27,37.47) 269.27,39.24 MX57.1 ; v2(269.26,18.28) 269.26,20.18 MX66.1 ; MX29.1 264.5,75.28 v2(264.51,75.28) ; v2(259.75,94.44) 259.74,94.45 MX14.1 ; v2(255.5,58.29) MX43.1
Board_0-C14: length 211.3
  Top w0.25: 288.32,65.85 288.32,65.18 v2(288.31,65.17) ; 288.32,65.85 v2(288.32,75.44) v2(288.32,94.43) ; 288.32,65.85 288.32,56.44 v2(288.3,56.42) 288.3,37.31 v2(288.32,37.29) v2(288.32,18.37)
  Bottom w0.25: MX67.1 288.32,20.19 v2(288.32,18.37) ; v2(288.31,65.17) 288.03,65.45 172.25,65.45 arc(170.34,65.83) 168.72,66.91 167.62,68.01 arc(167.38,68.36) 167.3,68.78 167.3,69.17 arc(167.25,69.38) 167.13,69.57 166.96,69.74 arc(166.5,69.93) 166.03,69.74 U6.12 ; MX44.1 288.3,58.27 v2(288.3,56.42) ; MX30.1 288.32,77.34 v2(288.32,75.44) ; v2(288.32,37.29) 288.32,39.24 MX58.1 ; v2(288.32,94.43) 288.31,94.43 MX15.1
